# Altium PCB GL3520 4 Ports.PcbDoc (part 2 of 2)
Units mm, origin at the board's own origin, x right, y up, seen from the top; angles counter-clockwise.
Board outline 60 x 60 mm, 2 copper layers (Top Layer, Bottom Layer), stack 1.569 mm thick; 95 components, 85 nets, 418 pads, 185 vias.
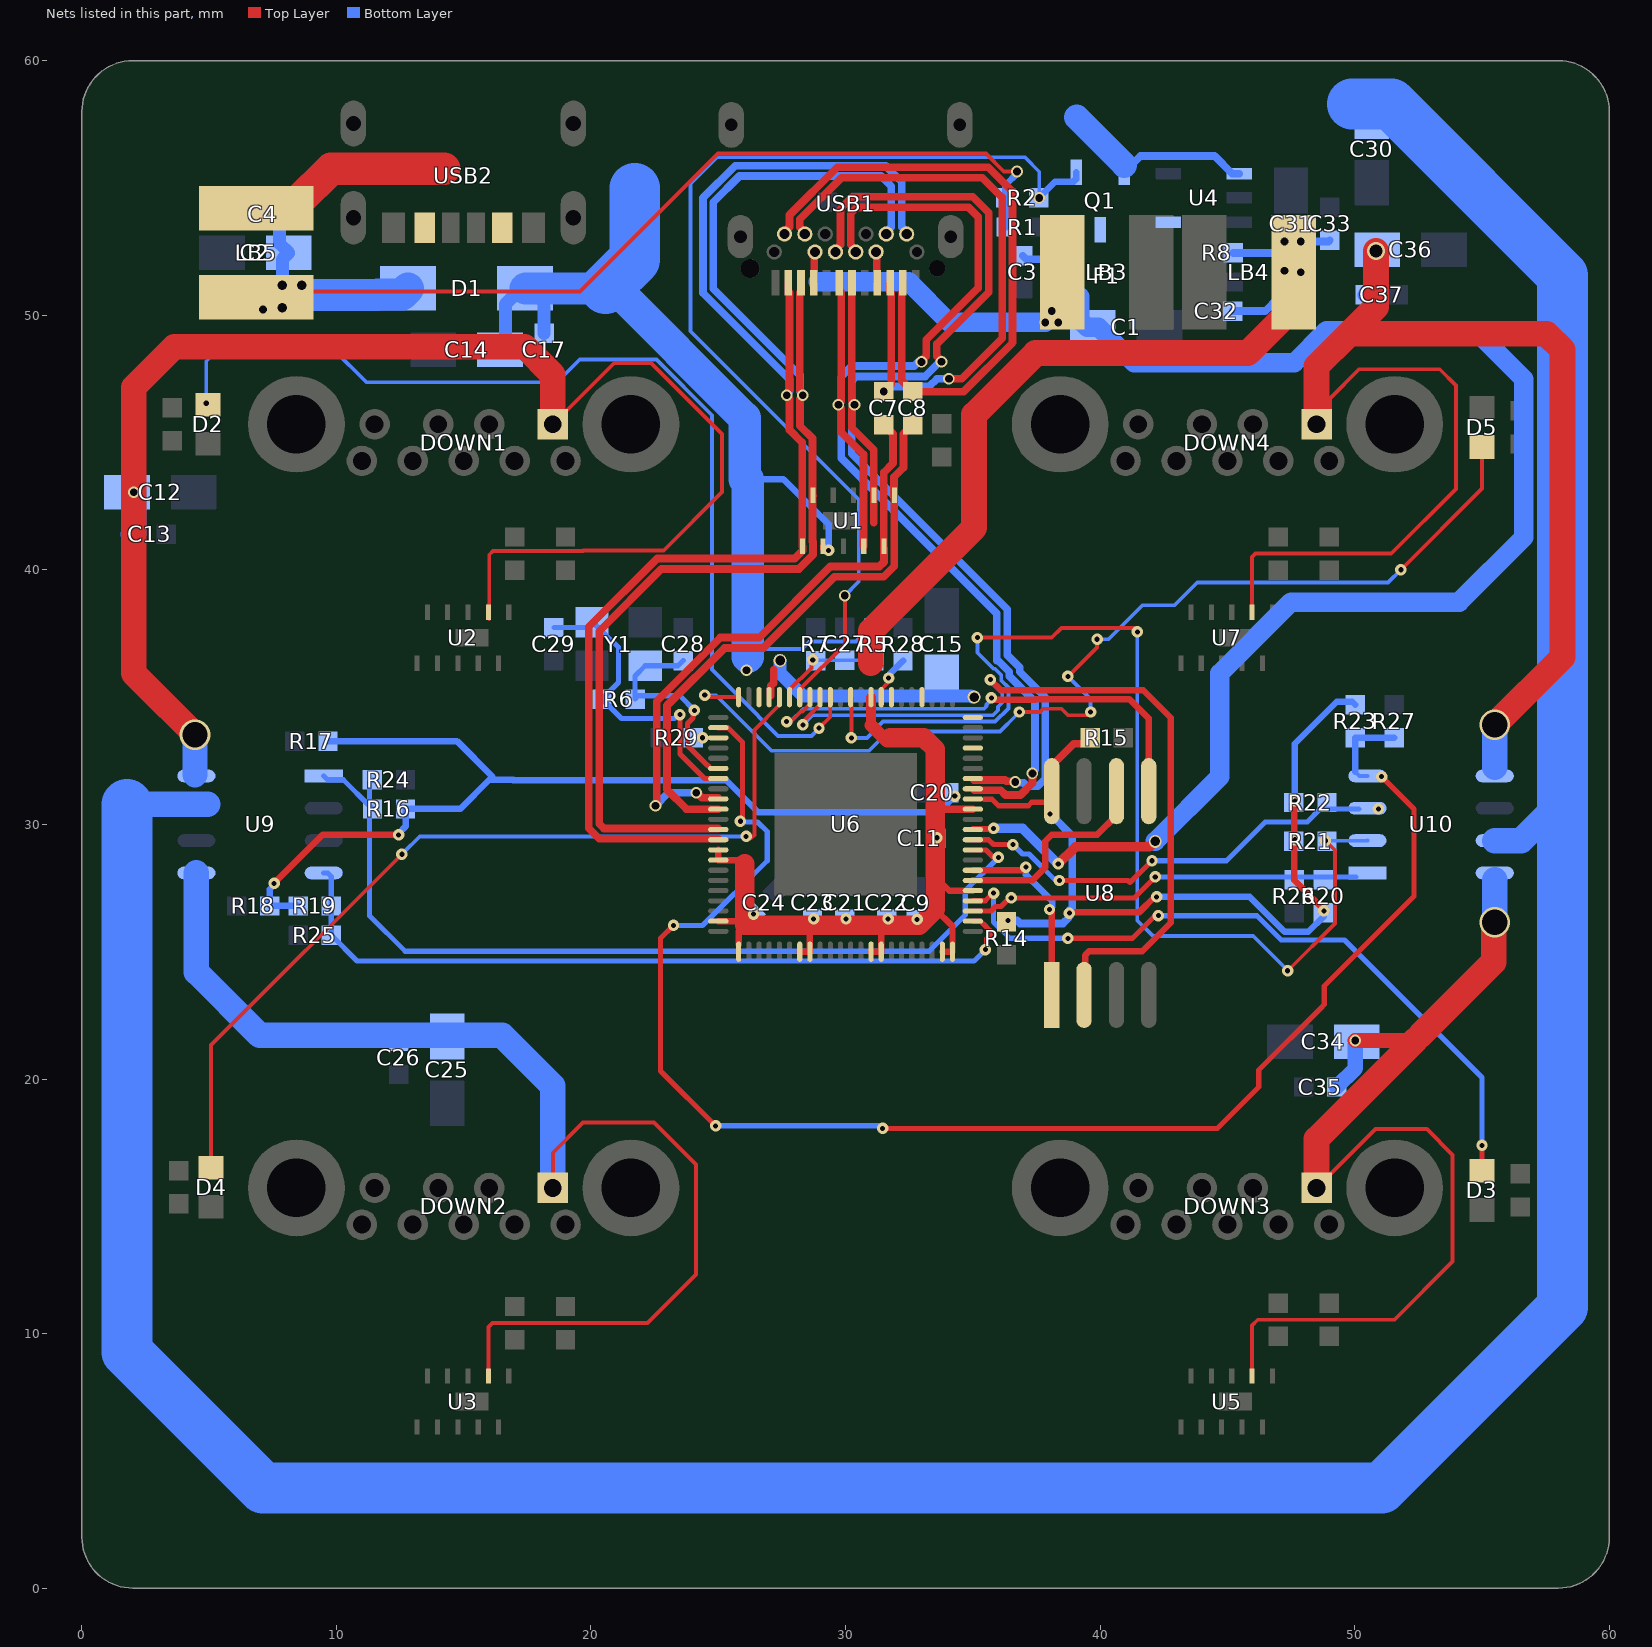
[diagram p2: the nets of this part, all layers, seen from the top]

## Via types
v1: diameter 0.457, hole 0.305, Top Layer to Bottom Layer, 105 vias
v2: diameter 0.45, hole 0.2, Top Layer to Bottom Layer, 65 vias
v3: diameter 0.508, hole 0.381, Top Layer to Bottom Layer, 6 vias
v4: diameter 3, hole 3, Top Layer to Bottom Layer, 4 vias
v5: diameter 1.2, hole 1, Top Layer to Bottom Layer, 3 vias
v6: diameter 0.7, hole 0.5, Top Layer to Bottom Layer, 1 vias
v7: diameter 0.45, hole 0.3, Top Layer to Bottom Layer, 1 vias

## Nets (pads, with @x,y where several pads share a name; then routed paths per layer and width w, separated by ;. In a path a pad name is that pad's centre, name@x,y a point inside that pad or via, vN(x,y) a via of type N, cw(c..) or ccw(c..) an arc to the next point about the centre after c; other vN are vias at no path point) (continued)
OVCUR3#: R21.2 U6.77 U10.2 | length 43.7
  Top Layer w0.152: U6.77@30.2,35 30.226,34.974 v2(30.226,33.401) ; v2(35.179,37.338) 38.1,37.338 38.481,37.719 41.313,37.719 v2@41.402,37.63 ; v2(47.368,24.254) 49.221,26.107 49.221,28.985 v2(48.847,29.358)
  Bottom Layer w0.152: v2(30.226,33.401) 30.838,33.401 31.473,34.036 35.872,34.036 36.394,34.558 36.394,35.377 36.115,35.656 36.115,35.864 35.864,36.115 35.809,36.115 35.179,36.746 v2(35.179,37.338) ; v2(41.459,37.567) 41.459,26.232 42.077,25.614 46.014,25.614 47.368,24.26 v2(47.368,24.254) ; v2(48.847,29.358) 50.493,29.358 U10.2@50.5,29.365
OVCUR4#: R22.2 U6.54 U10.3 | length 17
  Top Layer w0.203: U6.54@35,29.4 35.002,29.398 35.619,29.398 35.808,29.21 36.322,29.21 ; v2(38.396,27.798) 41.091,27.798 41.176,27.714 v2(42.037,28.575)
  Bottom Layer w0.203: v2(36.576,29.21) 36.951,28.836 37.211,28.836 38.354,27.692 38.354,27.686 38.339,27.686 38.396,27.743 v2(38.396,27.798) ; v2(42.037,28.575) 44.958,28.575 46.482,30.099 48.133,30.099 48.641,30.607 U10.3@50.165,30.607
  other v2: 50.927,30.607
PGANG: R28.1 U6.74 | length 1.8
  Top Layer w0.152: U6.74@31.4,35 31.4,35.3 31.693,35.593 v2(31.693,35.752)
  Bottom Layer w0.254: v2(31.693,35.752) 31.755,35.814 31.755,35.931 R28.1@32.258,36.434
PGREEN1: D2.A U6.79 | length 40.3
  Top Layer w0.152: v2(28.956,33.782) 29.4,34.226 U6.79@29.4,35
  Bottom Layer w0.152: v2(4.887,46.544) 4.887,48.194 5.334,48.641 9.906,48.641 11.176,47.371 18.669,47.371 19.558,48.26 22.566,48.26 24.752,46.074 24.752,36.081 25.794,35.039 27.352,33.481 28.655,33.481 v2(28.956,33.782)
PGREEN2: D4.A U6.84 | length 35.4
  Top Layer w0.152: D4.A@5.08,16.518 5.08,21.337 v2(12.57,28.827) ; v2(26.093,29.528) 26.15,29.471 26.282,29.471 26.289,29.464 26.416,29.591 26.416,33.716 27.4,34.7 U6.84@27.4,35
  Bottom Layer w0.152: v2@12.636,28.892 13.272,29.528 v2(26.093,29.528)
PGREEN3: D3.A U6.48 | length 28.3
  Top Layer w0.203: U6.48@35,27 35.002,27.002 35.491,27.002 35.794,27.305 v2(35.814,27.305) 35.814,27.339 v2@35.797,27.322 ; v2(38.735,25.527) 41.275,25.527 v2@42.227,26.479 ; v2@42.213,26.525 v2@42.273,26.525 ; D3.A@55,16.391 v2(55,17.39)
  Bottom Layer w0.203: v2(35.814,27.305) 35.814,26.162 36.449,25.527 v2(38.735,25.527) ; v2(42.291,26.416) 46.16,26.416 47.112,25.463 49.593,25.463 55,20.057 v2(55,17.39)
PGREEN4: D5.A U6.88 | length 40.9
  Top Layer w0.152: v2@24.511,35.179 24.69,35 U6.88@25.8,35 ; v2(36.83,34.417) 37.632,34.417 37.759,34.544 38.481,34.544 38.735,34.29 v2@39.624,34.29 ; v2(38.735,35.814) 39.878,36.957 v2(39.878,37.274) ; v2(51.816,40.005) 55,43.189 D5.A@55,44.823
  Bottom Layer w0.152: v2(24.468,35.08) 24.486,35.062 24.922,35.062 27.091,32.893 30.925,32.893 31.687,33.655 36.068,33.655 v2@36.703,34.29 ; v2(38.735,35.814) 39.624,34.925 v2(39.624,34.417) ; v2(39.878,37.274) 40.328,37.274 41.661,38.608 42.926,38.608 43.815,39.497 51.308,39.497 v2(51.816,40.005)
PSELF: Q1.1 R2.1 U6.82 | length 41.1
  Top Layer w0.152: U6.82@28.2,35 28.216,35.016 28.216,35.316 29.972,37.072 v1(29.972,38.989)
  Bottom Layer w0.152: v1(29.972,38.989) 30.519,39.536 30.519,42.769 23.913,49.375 23.913,55.174 24.945,56.206 37.043,56.206 37.609,55.64 v1(37.609,54.611)
  Bottom Layer w0.254: R2.1@37.719,54.737 38.235,55.253 38.957,55.253 39.055,55.351 Q1.1@39.055,55.626
PWREN1#: R16.2 R24.1 U6.53 U9.1 | length 36.3
  Top Layer w0.203: U6.53@35,29 U6.53@35,29 35.518,28.998 35.814,28.702 v2(36.005,28.702)
  Bottom Layer w0.203: U9.1@9.5,31.905 9.648,31.757 10.265,31.757 R16.2@11.303,30.719 ; R16.2@11.415,30.607 R16.2@11.303,30.719 ; R24.1@11.415,31.75 11.303,31.638 R16.2@11.303,30.719 ; v2(36.005,28.702) 34.703,27.4 34.703,26.448 33.274,25.019 12.7,25.019 11.303,26.416 R16.2@11.303,30.719
PWREN2#: R19.2 R25.1 U6.46 U9.4 | length 30.6
  Top Layer w0.203: U6.46@35,26.2 35.297,26.2 35.406,26.09 35.42,26.09 35.687,25.824 35.687,25.654 35.541,25.508 35.541,25.195 35.512,25.165 v2@35.475,25.165
  Bottom Layer w0.203: U9.4@9.5,28.095 9.657,28.095 9.794,27.958 R19.2@9.794,26.797 R25.1@9.794,25.654 10.81,24.638 35.051,24.638 v2(35.494,25.081)
PWREN3#: R20.2 R26.1 U6.47 U10.1 | length 15.8
  Top Layer w0.203: U6.47@35,26.6 35.713,26.6 35.891,26.778 36.108,26.778 36.465,27.135 v2@36.546,27.135 ; v2(36.51,27.113) 41.337,27.113 v2@42.26,28.036
  Bottom Layer w0.203: v2(42.164,27.94) U10.1@50.038,27.94
PWREN4#: R23.2 R27.1 U6.2 U10.4 | length 61.1
  Top Layer w0.203: v2(23.241,26.035) 22.733,25.527 22.733,20.32 v2(24.892,18.161) ; U6.2@25,33.8 25.382,33.8 25.952,33.23 25.952,30.28 25.865,30.193 v2(25.865,30.127) ; v2(31.453,18.062) 44.605,18.062 46.228,19.685 46.228,20.35 48.689,22.812 48.801,22.923 48.801,23.655 52.324,27.178 52.324,30.607 v2(51.054,31.877)
  Bottom Layer w0.152: U10.4@50.021,32.066 50.182,31.905 U10.4@50.5,31.905
  Bottom Layer w0.203: v2(23.241,26.035) 24.384,26.035 26.924,28.575 26.924,29.718 26.543,30.099 25.893,30.099 v2(25.865,30.127) ; v2(24.892,18.161) v2@31.496,18.161
  Bottom Layer w0.254: U10.4@50.021,32.066 R23.2@50.021,33.399 R27.1@51.545,33.398
RESET: C27.2 R5.1 R7.2 U6.83 | length 4.1
  Top Layer w0.152: U6.83@27.8,35 27.8,35.293 28.654,36.147 28.654,36.407 v2(28.711,36.464)
  Bottom Layer w0.152: R7.2@28.829,36.434 28.844,36.449 C27.2@29.972,36.449 31.1,36.449 R5.1@31.115,36.434
RTERM: R29.1 U6.3 | length 0.6
  Top Layer w0.152: v2(24.387,33.404) 24.389,33.402 24.998,33.402 U6.3@25,33.4
SPI_CLK: U6.50 U8.6 | length 8.3
  Top Layer w0.254: U6.50@35,27.8 37.338,27.8 37.846,28.308 37.846,29.337 38.1,29.591 39.878,29.591 40.64,30.353 U8.6@40.64,31.305
SPI_CZ: U6.51 U8.1 | length 7.7
  Top Layer w0.254: U6.51@35,28.2 36.995,28.2 37.084,28.289 v2(37.084,28.321) ; v2(38.011,26.659) 38.1,26.57 U8.1@38.1,23.305
  Bottom Layer w0.254: v2(37.084,28.321) 37.084,28.026 38.113,26.997 38.113,26.761 v2(38.011,26.659)
SPI_DI: U6.81 U8.5 | length 19.4
  Top Layer w0.152: v2(27.686,34.036) 27.743,34.093 27.899,34.093 28.241,34.435 28.31,34.435 28.551,34.676 28.563,34.676 28.6,34.713 U6.81@28.6,35
  Top Layer w0.254: v2(35.725,34.972) 35.727,34.972 35.794,34.905 37.445,34.905 37.465,34.925 41.148,34.925 41.91,34.163 U8.5@41.91,31.305
  Bottom Layer w0.152: v2(27.686,34.036) 27.842,34.036 28.35,34.544 35.433,34.544 35.541,34.652 35.541,34.707 35.725,34.891 v2(35.725,34.972)
SPI_DO: U6.80 U8.2 | length 32
  Top Layer w0.152: v2(28.321,33.909) 28.321,34.046 28.951,34.676 28.963,34.676 29,34.713 U6.80@29,35
  Top Layer w0.254: v2(35.687,35.687) 36.106,35.268 41.694,35.268 42.77,34.192 42.77,26.133 41.656,25.019 39.563,25.019 39.414,24.87 39.414,23.349 U8.2@39.37,23.305
  Bottom Layer w0.152: v2(28.321,33.909) 28.702,34.29 35.785,34.29 35.981,34.486 35.981,34.622 36.153,34.794 36.153,35.149 35.687,35.615 v2(35.687,35.687)
TX+: C8.2 USB1.A2 USB1.B2 | length 25.9
  Top Layer w0.305: USB1.B2@27.6,53.19 27.6,53.27 27.797,53.467 27.797,53.938 29.67,55.811 35.602,55.811 36.56,54.853 36.56,48.927 34.633,47 32.644,47 C8.2@32.639,47.005 32.203,47.441 32.203,50.888 32.25,50.935 USB1.A2@32.25,51.28
TX-: C7.2 USB1.A3 USB1.B3 | length 25.1
  Top Layer w0.305: USB1.B3@28.4,53.19 28.4,53.27 28.203,53.467 28.203,53.769 29.839,55.405 35.371,55.405 36.154,54.622 36.154,49.096 34.566,47.508 v1(34.058,47.508) ; v1(31.496,47.005) 31.797,47.306 31.797,50.888 31.75,50.935 USB1.A3@31.75,51.28
  Bottom Layer w0.305: v1(31.496,47.005) 31.537,47.005 31.738,47.206 33.293,47.206 33.595,47.508 v1(34.058,47.508)
UP_DN: U1.4 U6.59 USB1.A7 USB1.B7 | length 48.3
  Top Layer w0.305: v1@29.832,46.326 29.832,45.412 30.701,44.544 U1.4@30.701,40.926 ; v1@29.832,46.638 USB1.A7@29.832,50.893 ; USB1.B7@30.4,52.49 30.4,52.57 30.203,52.767 30.203,54.008 30.441,54.246 34.828,54.246 35.213,53.861 35.213,51.076 33.173,49.036 33.173,48.402 32.981,48.21 v1(32.981,48.169) ; U6.59@35.052,31.344 36.093,31.344 36.28,31.157 36.872,31.157 37.338,31.623 v1(37.338,32.004)
  Bottom Layer w0.305: v1@29.832,46.326 29.832,44.396 35.941,38.287 35.941,36.433 35.996,36.433 36.433,35.996 36.433,35.83 37.44,34.823 37.44,32.147 37.338,32.045 v1(37.338,32.004) ; v1@29.832,46.638 29.832,47.589 30.249,48.006 32.695,48.006 32.858,48.169 v1(32.981,48.169)
  other v1: 29.718,46.482
UP_DP: U1.7 U6.60 USB1.A6 USB1.B6 | length 49.2
  Top Layer w0.305: USB1.B6@29.6,52.49 29.6,52.57 29.797,52.767 29.797,54.176 30.273,54.652 34.996,54.652 35.62,54.029 35.62,50.908 33.579,48.867 33.579,48.405 33.771,48.213 v1(33.771,48.172) ; v1@30.239,46.326 30.239,45.58 31.107,44.712 31.107,41.858 ; v1@30.239,46.638 USB1.A6@30.239,50.893 ; U6.60@35.05,31.75 36.262,31.75 36.318,31.694 36.632,31.694 v1(36.661,31.665)
  Bottom Layer w0.305: v1@30.239,46.326 30.239,44.564 36.347,38.456 36.347,36.656 36.839,36.164 36.839,35.999 37.846,34.992 37.846,31.794 37.548,31.496 37.128,31.496 36.988,31.636 36.69,31.636 v1(36.661,31.665) ; v1@30.239,46.638 30.239,47.421 30.417,47.6 33.13,47.6 33.702,48.172 v1(33.771,48.172)
  other v1: 30.353,46.482
UP_RXN: U1.10 U6.12 USB1.A10 USB1.B10 | length 51.4
  Top Layer w0.305: U6.12@25,29.845 20.499,29.845 20.32,30.024 20.32,37.592 22.767,40.039 28.169,40.039 28.721,40.591 28.721,41.094 28.702,41.114 28.702,42.887 28.721,42.907 28.702,42.926 28.702,45.168 28.207,45.663 28.207,46.707 28.321,46.822 v1(28.321,46.863) ; USB1.A10@28.25,51.28 28.25,50.935 28.203,50.888 28.203,50.203 28.203,47.058 v1@28.253,47.008
  Bottom Layer w0.305: v1(28.321,46.863) 28.321,46.904 28.207,47.019 28.207,47.641 24.801,51.047 24.801,54.44 25.832,55.471 31.396,55.471 31.797,55.07 31.797,53.467 31.6,53.27 USB1.B10@31.6,53.19
UP_RXP: U1.1 U6.13 USB1.A11 USB1.B11 | length 53.4
  Top Layer w0.305: U6.13@25,29.439 20.33,29.439 19.914,29.855 19.914,37.76 22.598,40.445 28.001,40.445 28.315,40.759 U1.1@28.315,40.926 28.296,40.907 28.296,44.999 27.8,45.495 27.8,46.707 27.686,46.822 v1(27.686,46.863) ; USB1.A11@27.75,51.28 27.75,50.935 27.797,50.888 27.797,50.035 ; v1@27.754,47.035 27.797,47.078 27.797,50.035
  Bottom Layer w0.305: v1(27.686,46.863) 27.686,46.904 27.8,47.019 27.8,47.473 24.395,50.878 24.395,54.608 25.663,55.877 31.565,55.877 32.203,55.238 32.203,53.467 32.4,53.27 USB1.B11@32.4,53.19
UP_TXN: C7.1 U1.5 U6.9 | length 23.8
  Top Layer w0.305: v1(22.535,30.736) 22.564,30.766 22.564,30.873 22.581,30.89 22.581,34.839 25.079,37.338 26.603,37.338 29.397,40.132 31.33,40.132 31.509,40.311 31.509,40.837 31.501,40.845 31.501,43.82 31.864,44.183 31.864,45.337 C7.1@31.496,45.705 ; v1(24.13,31.242) 24.171,31.242 24.361,31.052 U6.9@25,31.052
  Bottom Layer w0.305: v1(22.535,30.736) 23.041,31.242 v1(24.13,31.242)
UP_TXP: C8.1 U1.6 U6.10 | length 22.7
  Top Layer w0.305: U6.10@25,30.6 23.756,30.6 22.987,31.369 22.987,34.671 25.248,36.932 26.772,36.932 29.566,39.726 31.498,39.726 31.915,40.142 31.915,42.918 31.907,42.926 31.907,43.651 32.271,44.015 32.271,45.337 C8.1@32.639,45.705
VAUX: C2.1 C4.2 D1.1 LB5.2 R1.1 R2.2 | length 42.3
  Top Layer w0.152: LB5.2@6.858,50.701 7.087,50.93 19.568,50.93 24.988,56.35 35.512,56.35 36.213,55.649 v1(36.734,55.649)
  Bottom Layer w0.254: R1.1@36.307,53.467 36.307,54.595 R2.2@36.292,54.61 36.269,54.587 36.269,55.112 36.77,55.613 v1(36.734,55.649)
  Bottom Layer w0.508: C4.2@7.762,53.975 7.762,52.817 C2.1@8.128,52.451 7.874,52.197 v3(7.874,51.181)
  Bottom Layer w1.27: 8.636,50.8 11.604,50.8 11.618,50.814 12.573,50.814 D1.1@12.813,51.054
  other v1: 7.111,50.229
  other v3: 7.874,50.292 8.636,51.181
VAUX1: LB5.1 USB2.A9 USB2.B9 | length 8
  Top Layer w1.27: LB5.1@6.858,54.201 7.098,54.441 8.473,54.441 9.785,55.753 14.231,55.753
VCC: C14.1 C17.2 C30.1 D1.2 Q1.2 R5.2 U1.2 U4.1 U4.4 U6.86 U9.7 U10.7 | length 188.6
  Top Layer w0.254: U1.2@29.115,40.926 29.115,40.833 29.142,40.806 29.298,40.806 v2(29.337,40.767)
  Bottom Layer w0.152: 26.607,37.021 26.733,37.021 26.856,36.898 28.298,36.898 28.588,37.188 30.407,37.188 30.518,37.3 30.518,37.372 30.607,37.461 30.842,37.461 R5.2@31.115,37.734 ; Q1.2@40.955,55.626 Q1.2@40.955,55.901
  Bottom Layer w0.254: 26.162,43.561 27.559,43.561 29.337,41.783 v2(29.337,40.767)
  Bottom Layer w0.305: D1.2@17.438,51.054 D1.2@18.161,50.331 ; Q1.2@40.955,55.626 41.59,56.261 44.493,56.261 45.194,55.56 U4.1@45.469,55.56
  Bottom Layer w0.508: C14.1@16.423,48.641 16.637,48.855 16.637,50.433 D1.2@17.258,51.054 ; D1.2@17.413,51.054 D1.2@17.438,51.054 ; C17.2@18.161,49.291 D1.2@18.161,50.331
  Bottom Layer w1: 1.778,30.786 U9.7@4.953,30.786 ; 39.085,57.771 Q1.2@40.955,55.901 ; U10.7@55.5,29.365 56.543,29.365 58.166,30.988
  Bottom Layer w1.27: D1.2@17.438,51.054 20.574,51.054 ; 20.764,51.244 26.035,45.974 26.035,43.561 ; 26.162,36.576 26.162,43.561
  Bottom Layer w2: 1.778,30.786 1.778,9.271 7.112,3.937 51.054,3.937 58.166,11.049 58.166,30.988 58.166,51.562 51.435,58.293 49.902,58.293 ; 20.574,51.054 20.764,51.244 21.717,52.197 21.717,54.991
  other v1: 26.109,36.054
VD12: C9.2 C11.2 C21.2 C22.2 C23.2 C24.2 C31.1 C32.2 C33.2 LB4.2 R8.1 U6.14 U6.15 U6.21 U6.23 U6.29 U6.30 U6.36 U6.37 U6.43 U6.44 U6.49 U6.57 U6.75 | length 71.8
  Top Layer w0.254: U6.21@25,26.2 25.87,26.2 26.035,26.035 25.8,25.8 U6.23@25.8,25.273 ; U6.14@25,29 U6.15@25,28.6 25.886,28.6 26.035,28.451 ; U6.29@28.207,25 U6.30@28.6,25 28.6,25.784 28.851,26.035 ; U6.36@31,25 U6.37@31.4,25 31.4,25.685 31.75,26.035 ; 33.528,26.67 34.2,25.998 U6.44@34.2,25 U6.43@33.8,25 ; 33.528,27.94 34.068,27.4 U6.49@35,27.4
  Top Layer w0.305: 33.528,30.861 33.789,30.6 U6.57@35,30.6
  Top Layer w0.381: 31,33.897 U6.75@31,35
  Top Layer w0.508: 31,33.897 31.623,33.274
  Top Layer w0.762: 26.035,26.477 26.035,28.451 26.035,26.035 28.851,26.035 31.4,26.035 ; 30.017,26.035 31.4,26.035 ; 31.75,33.401 33.082,33.401 33.528,32.955 33.528,30.861 ; v2@33.528,29.477 33.528,30.861 ; 31.4,26.035 31.75,26.035 32.893,26.035 33.528,26.67 33.528,27.94 33.528,30.861
  Top Layer w1.016: 30.988,36.336 30.988,37.592 35.052,41.656 35.052,46.101 37.465,48.514 45.797,48.514 47.597,50.314 LB4.2@47.597,51.689
  Bottom Layer w0.305: C32.2@45.212,50.165 46.482,50.165 46.975,50.658 46.975,51.761 C31.1@47.498,52.284 47.331,52.451 R8.1@45.227,52.451 ; v1(47.878,52.896) 48.974,52.896 C33.2@49.022,52.944
  other v1: 47.879,51.689 47.243,51.753 47.243,52.896
  other v2: 32.811,26.272 28.747,26.287 30.017,26.287 31.668,26.287 26.383,26.477 33.588,29.477
VD33: C15.1 C20.2 R14.1 R15.2 R16.1 R17.1 R18.1 R19.1 R20.1 R21.1 R22.1 R23.1 U6.58 U6.63 U6.66 U6.70 U6.73 U6.85 U8.8 | length 83.1
  Top Layer w0.203: 35.433,30.988 35.75,30.988 36.005,30.734 37.179,30.734 37.313,30.868 37.917,30.868 38.1,31.051 U8.8@38.1,31.305
  Top Layer w0.254: v2(7.549,27.686) 9.454,29.591 v2(12.446,29.591) ; v2@38.818,26.543 41.529,26.543 v2@42.164,27.178 ; v2(47.649,30.922) 47.625,30.898 47.625,27.813 48.792,26.646 v2(48.792,26.604)
  Top Layer w0.305: U6.85@27.052,35.052 27.052,35.352 27.059,35.359 27.059,35.441 27.178,35.561 27.178,36.068 ; U8.8@38.1,31.305 38.1,32.305 38.967,33.173 39.38,33.173 R15.2@39.609,33.401 ; v2(38.792,26.518) v2@38.818,26.543
  Bottom Layer w0.254: v2@7.605,27.686 v2(7.549,27.686) 7.549,27.621 7.381,27.453 R18.1@7.381,26.797 R19.1@8.494,26.797 ; R17.1@9.667,33.274 14.732,33.274 16.129,31.877 16.002,31.75 ; v2(12.446,29.591) 12.446,29.652 12.715,29.921 R16.1@12.715,30.607 14.859,30.607 16.002,31.75 ; v2(34.29,31.115) 33.655,30.48 26.573,30.48 25.316,31.737 16.951,31.737 16.938,31.75 16.002,31.75 ; v2(42.221,27.153) 45.872,27.153 47.244,25.781 48.178,25.781 48.792,26.395 v2(48.792,26.604) ; v2(47.649,30.922) 47.649,33.171 49.298,34.82 49.9,34.82 R23.1@50.021,34.699
  Bottom Layer w0.305: v2(36.387,26.231) 36.39,26.228 36.739,26.228 36.855,26.112 38.541,26.112 38.765,26.335 38.765,26.49 v2(38.792,26.518) 38.82,26.545 38.82,26.65 38.901,26.731 38.901,29.548 v2(38.034,30.415)
  Bottom Layer w0.508: v3(27.432,36.441) 27.432,35.941 28.321,35.052 34.925,35.052 34.976,35.001 v3(35.052,35.001)
  other v2: 47.649,29.398
VDP1: C12.1 C13.2 DOWN1.1 U2.2 U9.8 | length 61.2
  Top Layer w0.152: U2.2@15.994,38.33 15.994,38.635 16.002,38.643 16.002,40.594 16.152,40.744 19.694,40.744 19.713,40.763 22.856,40.763 25.146,43.053 25.146,45.339 22.352,48.133 20.913,48.133 DOWN1.1@18.5,45.72 ; U2.2@16.002,38.066 U2.2@16.002,38.33
  Top Layer w1: v5(4.445,33.528) 2.413,35.56 2.032,35.941 v7(2.032,43.053) 2.032,47.166 3.634,48.768 17.399,48.768 18.5,47.667 DOWN1.1@18.5,45.72
  Bottom Layer w1: C13.2@2.017,41.402 2.032,41.417 v7(2.032,43.053) ; U9.8@4.445,31.96 v5(4.445,33.528)
VDP2: C25.1 C26.2 DOWN2.1 U3.2 U9.5 | length 47.2
  Top Layer w0.152: U3.2@15.97,8.33 15.97,10.255 16.129,10.414 22.225,10.414 24.13,12.319 24.13,16.637 22.479,18.288 19.685,18.288 18.5,17.103 DOWN2.1@18.5,15.72
  Bottom Layer w1: U9.5@4.5,28.095 4.5,24.202 6.985,21.717 16.51,21.717 18.5,19.727 DOWN2.1@18.5,15.72
VDP3: C34.1 C35.2 DOWN3.1 U5.2 U10.8 | length 41.3
  Top Layer w0.152: U5.2@45.97,8.33 45.97,10.321 46.19,10.541 51.562,10.541 53.848,12.827 53.848,17.018 52.832,18.034 50.814,18.034 DOWN3.1@48.5,15.72 ; 52.373,21.512 52.578,21.717
  Top Layer w0.6: v1(50.023,21.512) 52.373,21.512
  Top Layer w1.016: DOWN3.1@48.5,15.72 48.5,17.639 52.373,21.512 ; 52.578,21.717 55.464,24.603 55.464,26.127 v5(55.499,26.162)
  Bottom Layer w0.6: C35.2@49.291,19.685 50.023,20.417 v1(50.023,21.512)
  Bottom Layer w1.016: v5(55.499,26.162) 55.499,27.813
VDP4: C36.1 C37.2 DOWN4.1 U7.2 U10.5 | length 58.1
  Top Layer w0.152: U7.2@45.97,38.33 45.97,40.509 46.101,40.64 51.435,40.64 53.975,43.18 53.975,47.244 53.34,47.879 50.165,47.879 49.024,46.738 49.024,46.244 DOWN4.1@48.5,45.72
  Top Layer w1.016: DOWN4.1@48.5,45.72 48.5,47.992 49.784,49.276 ; v6(50.838,52.528) 50.838,50.33 49.784,49.276 ; v5(55.499,33.909) 58.166,36.576 58.166,48.641 57.531,49.276 49.784,49.276
  Bottom Layer w0.6: C37.2@50.404,50.8 50.793,51.188 ; 50.838,51.188 v6(50.838,52.528)
  Bottom Layer w1.016: 55.499,32.258 v5(55.499,33.909)
VMAIN: C1.1 C3.2 F1.1 Q1.3 U6.55 | length 59.6
  Top Layer w0.254: U6.55@35.021,29.821 v2@35.771,29.821
  Top Layer w0.381: v2@35.771,29.821 35.795,29.845 v2(35.814,29.845) ; v2(38.354,28.448) 39.024,29.118 41.945,29.118 v3(42.164,29.337)
  Bottom Layer w0.305: C3.2@36.957,52.339 37.099,52.197 38.062,52.197 38.544,51.714 F1.1@38.544,51.562
  Bottom Layer w0.381: v2(35.814,29.845) 36.957,29.845 v2(38.354,28.448)
  Bottom Layer w0.762: F1.1@38.544,51.562 38.544,51.371 39.192,50.724 39.192,49.824 39.486,49.53 C1.1@39.711,49.53 39.936,49.53 41.333,48.133 47.625,48.133 48.895,49.403 54.737,49.403 56.642,47.498 56.642,41.275 54.102,38.735 47.498,38.735 44.704,35.941 44.704,31.877 v3(42.164,29.337)
VMAIN1: LB3.1 USB1.A4 USB1.A9 USB1.B4 USB1.B9 | length 12.1
  Top Layer w0.152: USB1.A9@28.75,51.28 USB1.A9@28.775,51.305 ; USB1.B4@28.775,52.465 USB1.B4@28.8,52.49 ; USB1.B9@31.2,52.49 USB1.B9@31.225,52.465 ; USB1.A4@31.225,51.305 USB1.A4@31.25,51.28
  Top Layer w0.3: USB1.A9@28.775,51.305 USB1.B4@28.775,52.465 ; USB1.A4@31.225,51.305 USB1.B9@31.225,52.465
  Bottom Layer w0.152: USB1.B4@28.748,52.438 USB1.B4@28.8,52.49
  Bottom Layer w0.762: 28.92,51.31 32.486,51.31 34.075,49.721 v1(37.845,49.721)
  other v1: 38.353,49.721 38.1,50.165
X1: C28.2 R6.1 U6.6 Y1.1 | length 8.7
  Top Layer w0.203: v2(24.064,34.479) 24.017,34.431 24.017,34.257 24.003,34.243 24.003,34.182 23.787,33.966 23.787,33.102 24.58,32.309 24.594,32.309 24.703,32.2 U6.6@25,32.2
  Bottom Layer w0.203: C28.2@23.622,36.434 23.422,36.234 Y1.1@22.132,36.234 21.732,35.834 R6.1@21.732,34.925 21.859,35.052 23.49,35.052 v2(24.064,34.479)
X2: C29.2 R6.2 U6.7 Y1.3 | length 12.2
  Top Layer w0.203: v2(23.491,34.312) 23.495,34.309 23.495,32.766 24.459,31.802 24.998,31.802 U6.7@25,31.8
  Bottom Layer w0.203: C29.2@18.542,37.734 19.832,37.734 Y1.3@20.032,37.934 20.082,37.934 20.868,37.148 20.891,37.148 21.082,36.957 21.082,35.575 R6.2@20.432,34.925 21.194,34.163 23.275,34.163 23.425,34.312 v2(23.491,34.312)
pads on no net: U1.3 U1.8 U2.3 U2.8 U3.3 U3.8 U5.3 U5.8 U6.1 U6.4 U6.5 U6.8 U6.22 U6.52 U6.56 U6.76 U6.87 U7.3 U7.8 USB1. USB1.A8 USB1.B8 USB2.A5 USB2.B5 Y1.2 Y1.4
copper on no net:
  other v4: 3,3 57,3 3,57 57,57

## Polygon pours and split planes (outlines as drawn)
GND on Bottom Layer "Bottom Layer-GND" (solid, remove dead copper, pour order 33): -1.872,61.659 -1.992,61.539 -1.992,-2.796 64.155,-2.796 64.518,-2.433 64.518,61.901 -1.629,61.901 -1.992,61.538
VCC on Bottom Layer "Bottom Layer-VCC" (solid, remove dead copper, pour order 31): 20.4,61.199 20.273,61.008 20.273,53.843 23.012,53.843 23.043,53.812 23.043,56.964 51.448,56.964 51.671,57.187 51.671,61.008 20.609,61.008 20.522,61.095
VCC on Bottom Layer "Bottom Layer-VCC 1" (solid, remove dead copper, pour order 29): 20.468,60.781 20.447,60.76 20.447,54.576 23.042,54.576 23.063,54.555 23.063,57.949 49.936,57.949 49.871,58.014 49.871,61.084 20.533,61.084 20.511,61.106 20.511,60.651
VCC on Bottom Layer "VCC_L02_P027" (solid, remove dead copper, pour order 27): 20.732,55.204 20.732,60.352 20.636,60.448 21.105,60.917 50.14,60.917 50.14,56.878 49.627,57.391 22.714,57.391 22.714,55.2
VMAIN1 on Bottom Layer "Bottom Layer-VMAIN1" (solid, remove dead copper, pour order 23): 28.412,52.633 28.396,52.617 28.396,50.905 31.772,50.905 31.788,50.921 31.788,52.601
VMAIN1 on Bottom Layer "VMAIN1_L02_P000" (solid, remove dead copper, pour order 0): 28.448,50.038 28.448,48.768 31.623,48.768 31.623,50.038
VCC on Bottom Layer "VCC_L02_P003" (solid, remove dead copper, pour order 3): 25.527,36.576 26.797,36.576 26.797,35.56 25.527,35.56
NetLB4_1 on Bottom Layer "NETLB4_1_L02_P011" (solid, pour order 11): 44.323,54.102 44.323,53.086 46.482,53.086 46.482,54.102
VCC on Bottom Layer "VCC_L02_P010" (solid, pour order 10): 40.831,55.118 40.831,53.53 40.767,53.467 43.561,53.467 43.561,54.61 41.783,54.61 41.783,55.499 40.831,55.499
VCC on Bottom Layer "VCC_L02_P009" (solid, pour order 9): 40.132,58.293 40.132,55.118 41.529,55.118 41.529,58.293
VMAIN on Bottom Layer "VMAIN_L02_P008" (solid, remove dead copper, pour order 8): 38.608,53.975 38.608,51.816 40.386,51.816 40.386,53.975
NetF1_2 on Bottom Layer "NETF1_2_L02_P007" (solid, remove dead copper, pour order 7): 41.275,50.546 42.799,50.546 42.799,53.213 41.275,53.213
VMAIN1 on Bottom Layer "VMAIN1_L02_P006" (solid, remove dead copper, pour order 6): 37.338,50.419 37.338,49.149 38.608,49.149 38.608,50.419
VAUX on Bottom Layer "VAUX_L02_P005" (solid, pour order 5): 6.477,51.562 6.477,49.784 9.144,49.784 9.144,51.562
GND on Top Layer "GND_L01_P020" (solid, remove dead copper, pour order 20): -1.016,62.357 -1.397,61.976 -1.397,-3.302 64.135,-3.302 63.754,-2.921 63.754,62.23
VAUX1 on Top Layer "VAUX1_L01_P004" (solid, remove dead copper, pour order 4): 13.081,53.848 13.081,56.388 16.891,56.388 16.891,53.848
VD33 on Top Layer "VD33_L01_P019" (solid, pour order 19): 27.051,36.703 27.051,35.941 28.067,35.941 28.067,36.957
VCC on Top Layer "VCC_L01_P002" (solid, remove dead copper, pour order 2): 25.527,36.576 25.527,35.56 26.416,35.56 26.416,35.052 26.797,35.052 26.797,36.576
VD33 on Top Layer "VD33_L01_P018" (solid, remove dead copper, pour order 18): 31.623,35.179 31.623,33.909 34.036,33.909 34.036,30.861 35.433,30.861 35.433,31.115 34.925,31.115 35.306,31.496 35.306,35.179
VD12 on Top Layer "VD12_L01_P017" (solid, remove dead copper, pour order 17): 30.734,36.322 30.734,34.671 31.242,34.671 31.242,36.322
NetLB4_1 on Top Layer "NETLB4_1_L01_P012" (solid, pour order 12): 44.323,54.102 46.482,54.102 46.482,53.086 44.323,53.086

## Keep-outs
Keep-Out Layer:
  the board outline again, w0.254

## Other copper
Top Layer:
  text "GL3520-22-HUB-USB3.0-V2020.8.29" at 9.652,1.199 h1.52
  text "By Geekchun" at 40.132,1.206 h1.52

## Silkscreen, mask and mechanical layers (free items; w line width, h text height)
Top Overlay:
  text "A" at 23.749,3.683 h30
Bottom Overlay:
  text "きのもと さくら" at 21.374,2.015 h1.5
  text "A" at 36.83,1.778 h30
Top Solder:
  text "GL3520-22-HUB-USB3.0-V2020.8.29" at 9.652,1.199 h1.52
  text "By Geekchun" at 40.132,1.206 h1.52
Mechanical 1:
  the board outline again, w0.254